# Altium PCB SNAKE_FYP.PcbDoc
Units mm, origin at the board's own origin, x right, y up, seen from the top; angles counter-clockwise.
Board outline 60 x 40 mm, 4 copper layers (Top Layer, GND02, PWR03, Bottom Layer), stack 0.603 mm thick; 81 components, 72 nets, 324 pads, 109 vias.
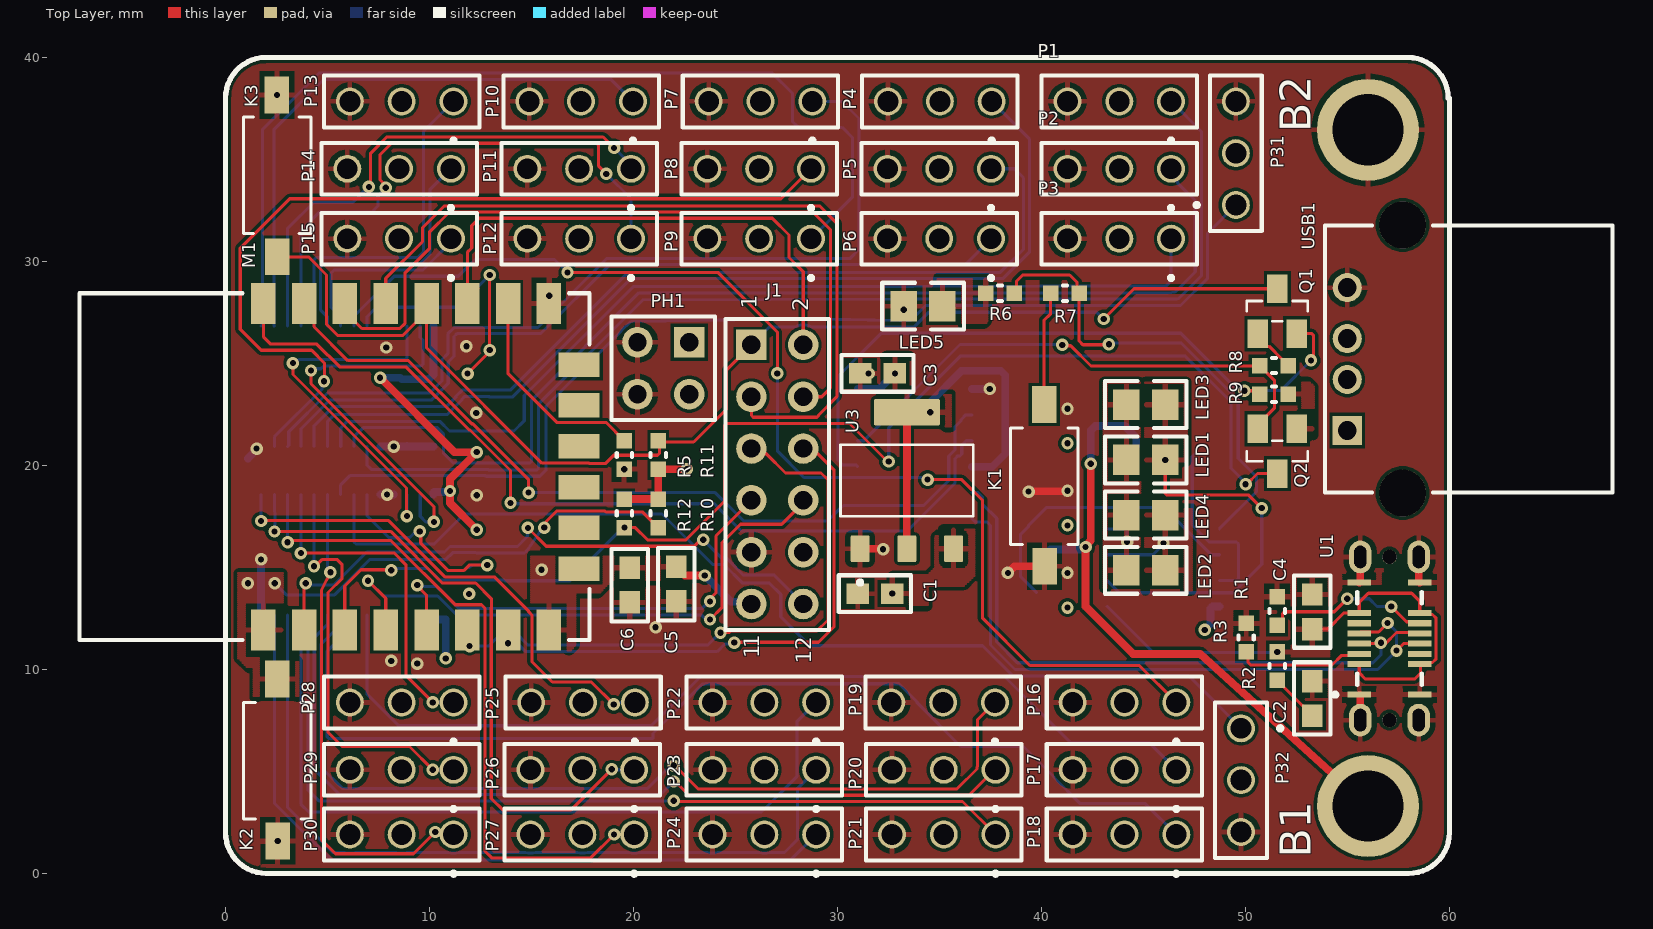
[diagram p0: Top Layer view]
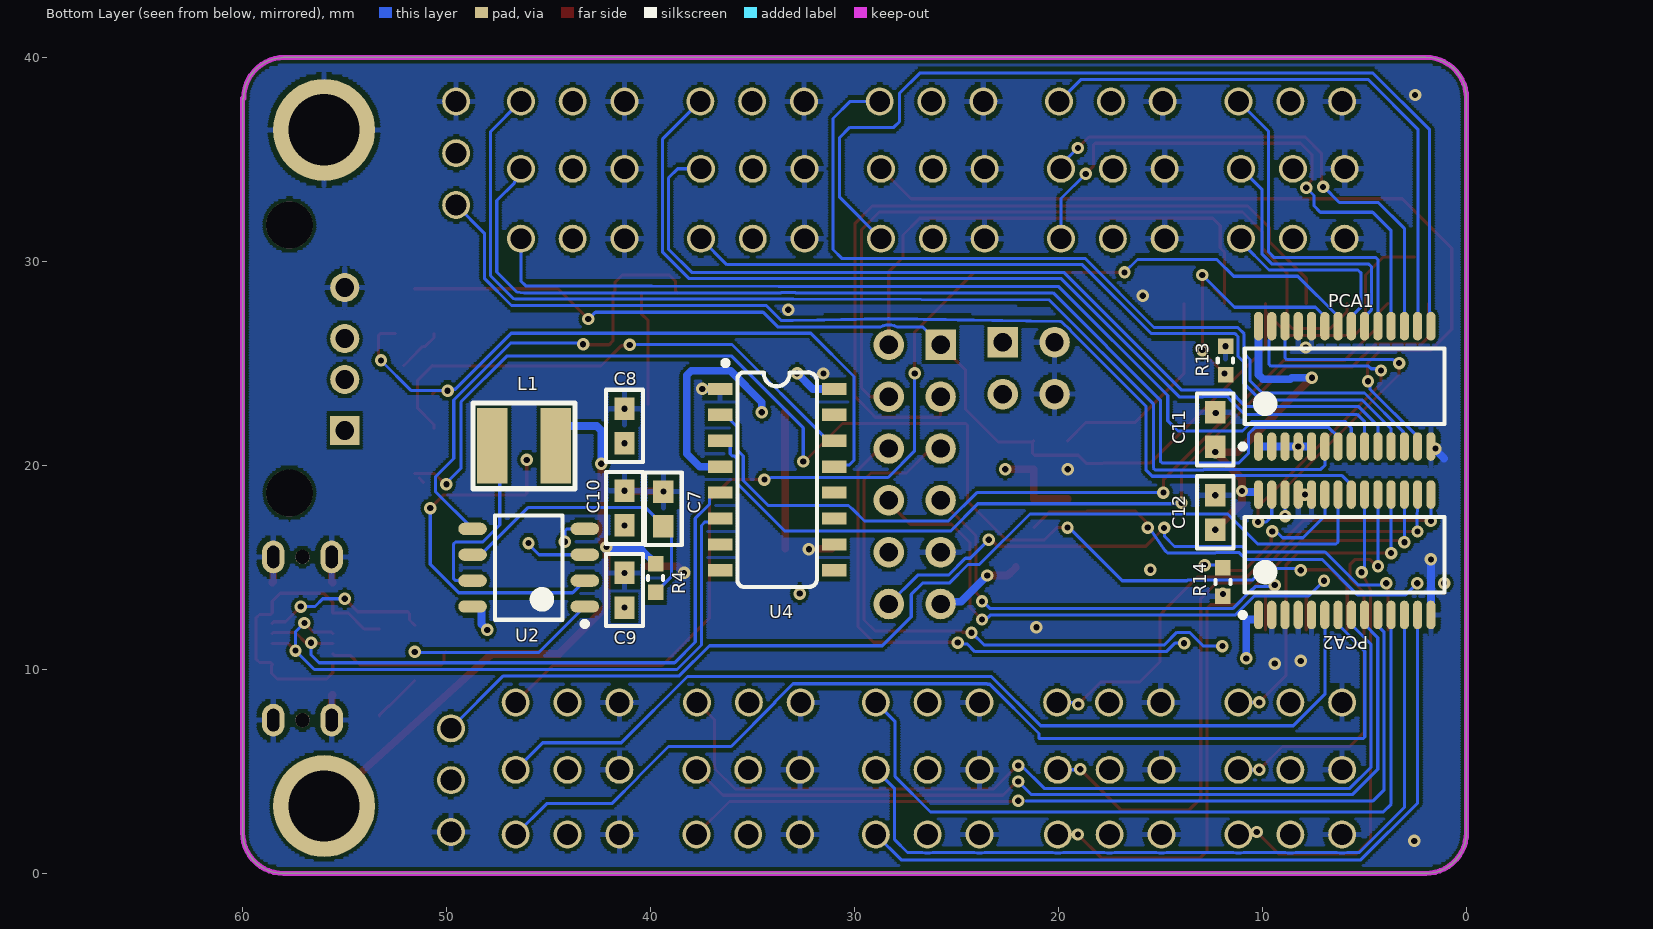
[diagram p1: Bottom Layer view, seen from below]
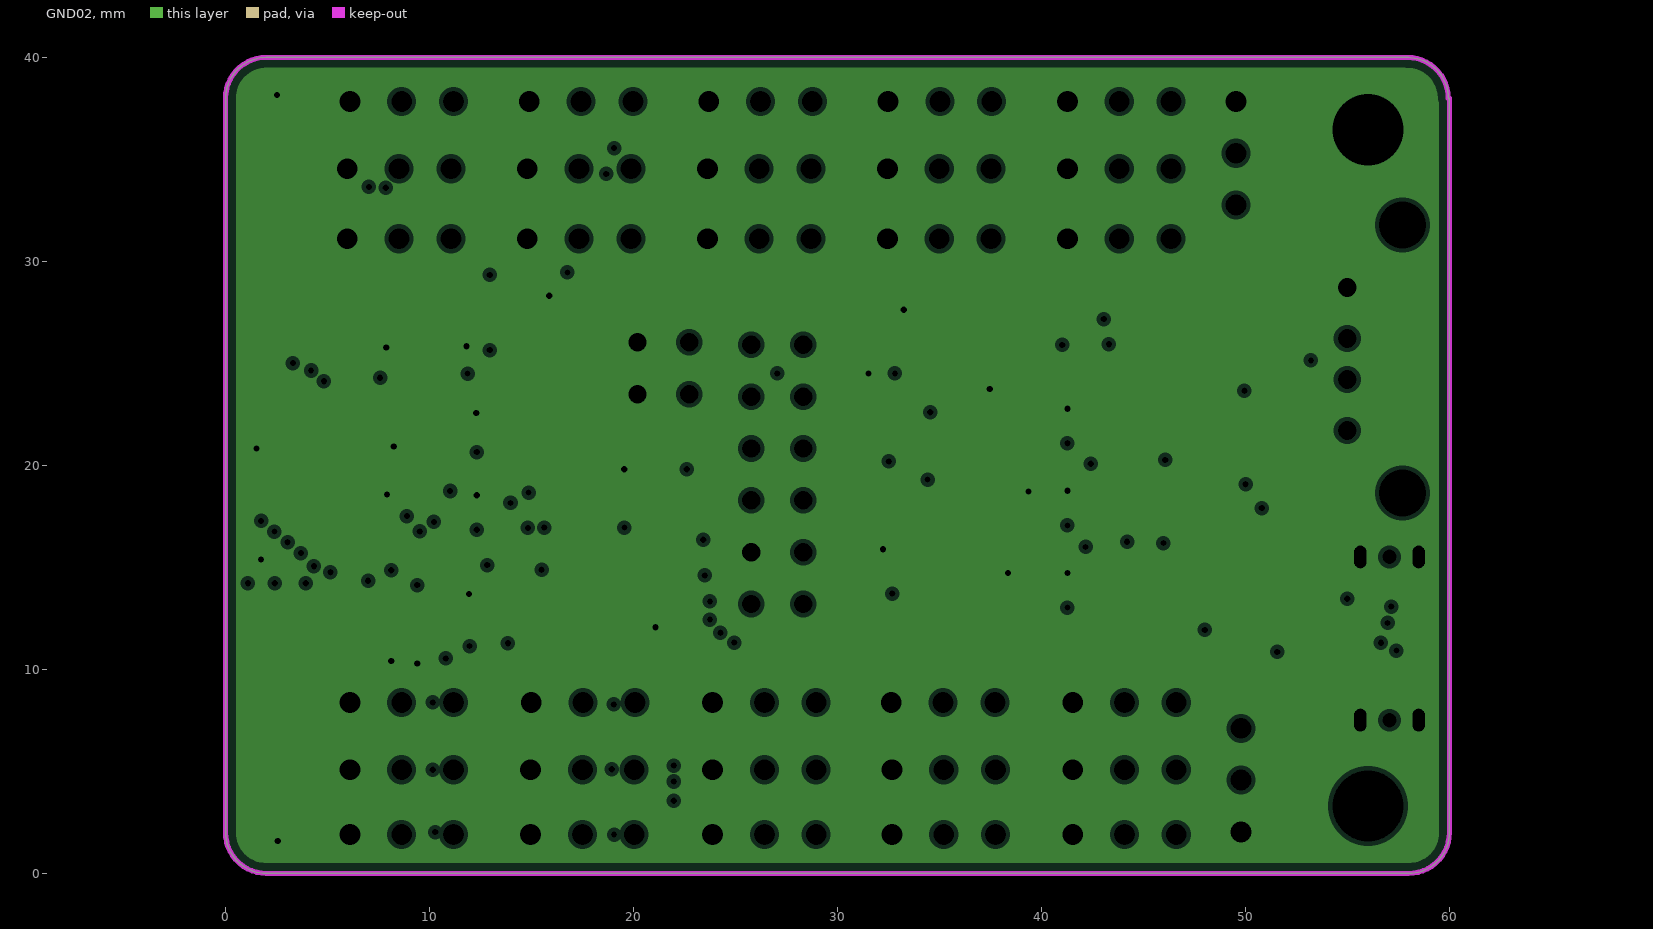
[diagram p2: GND02, clearances drawn from the general rule]
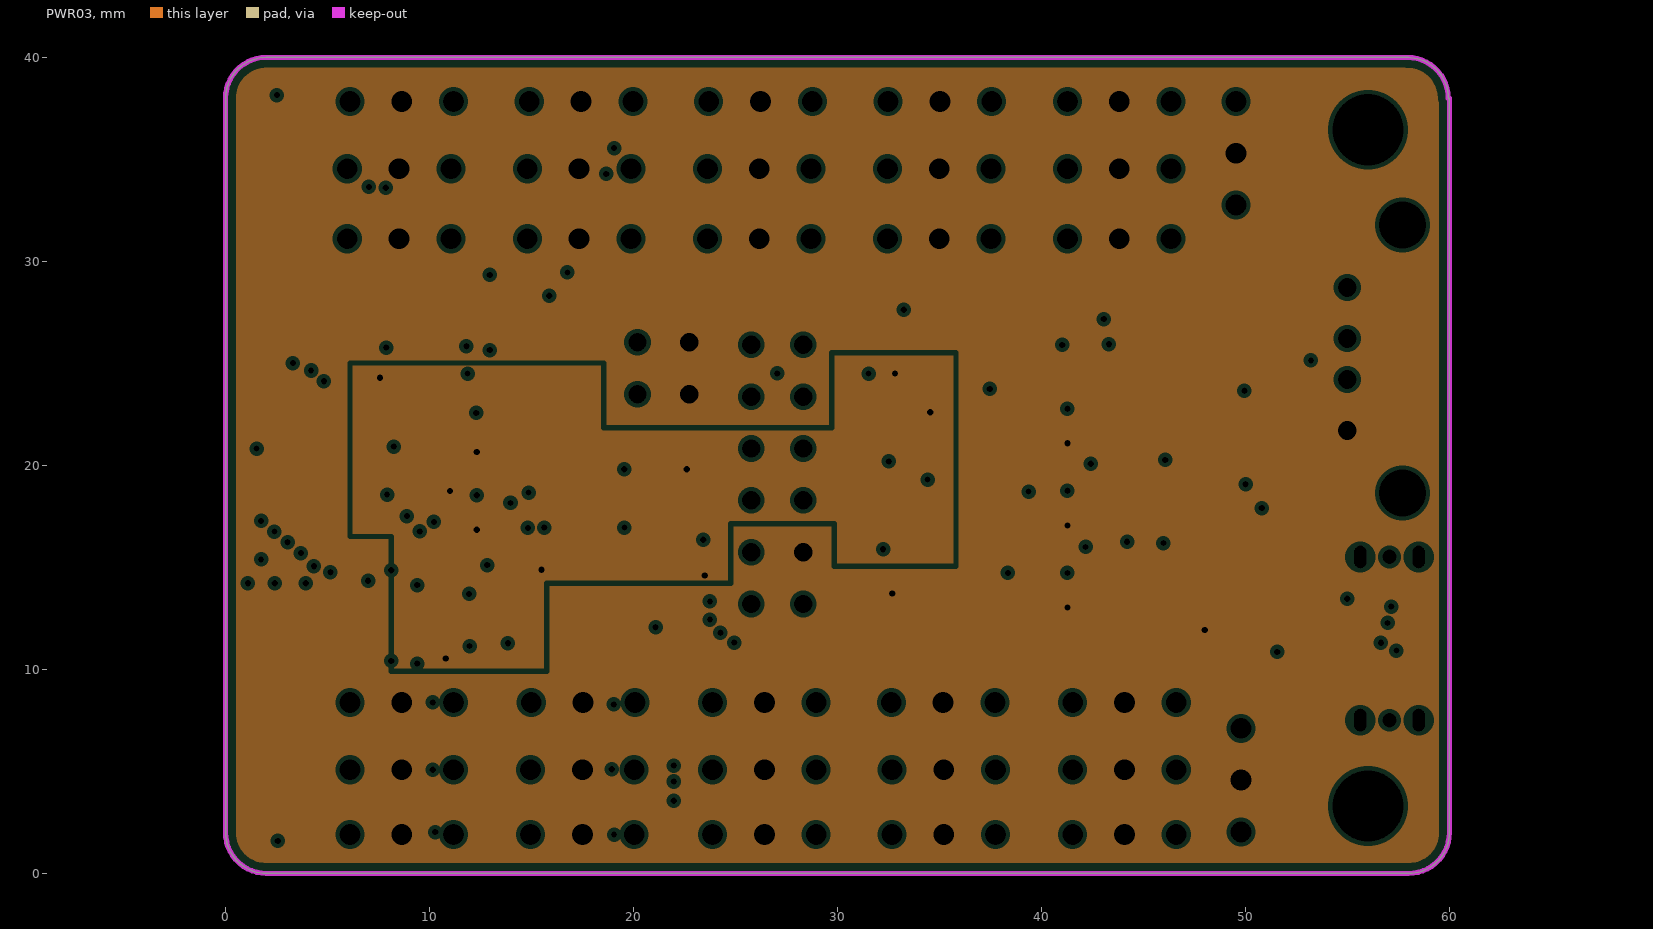
[diagram p3: PWR03, clearances drawn from the general rule]
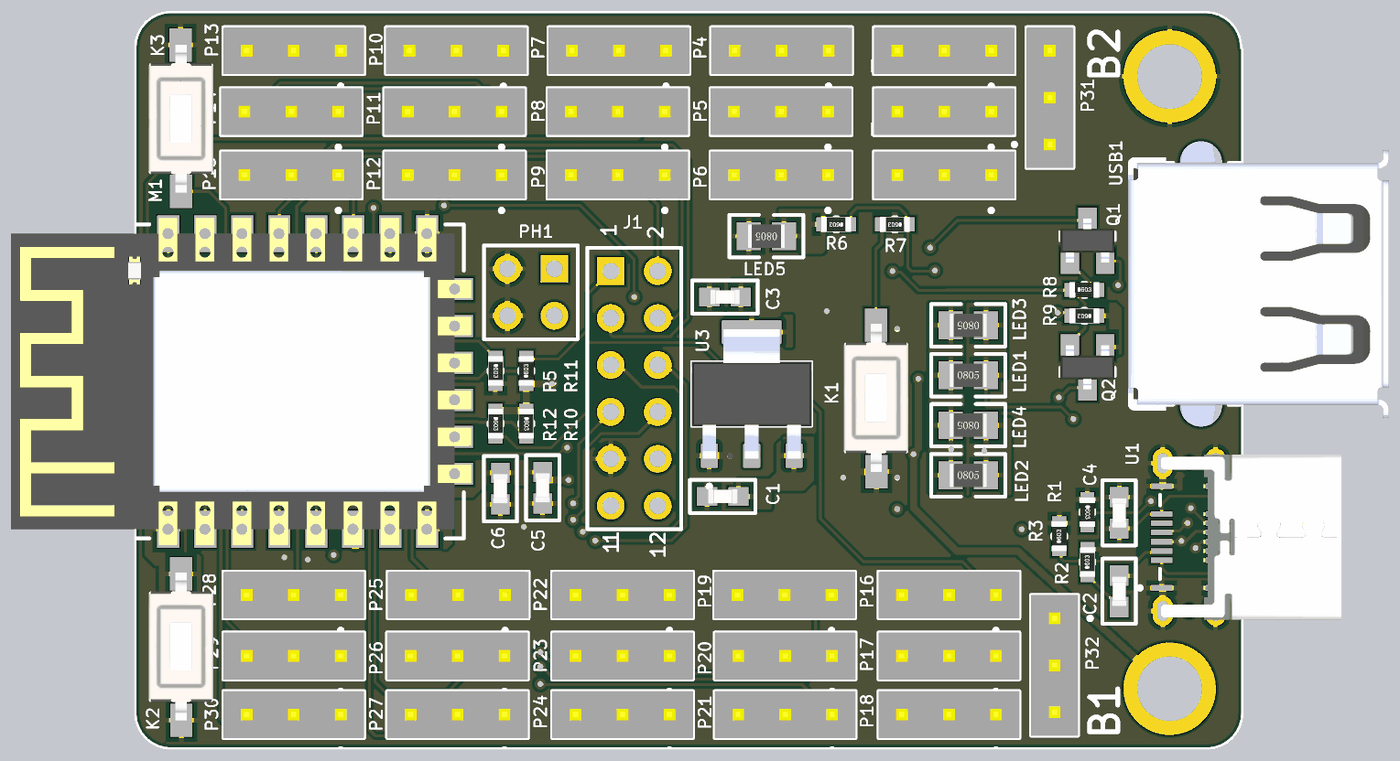
[diagram p4: 3D render of the assembled board from above, using the file's embedded part models]
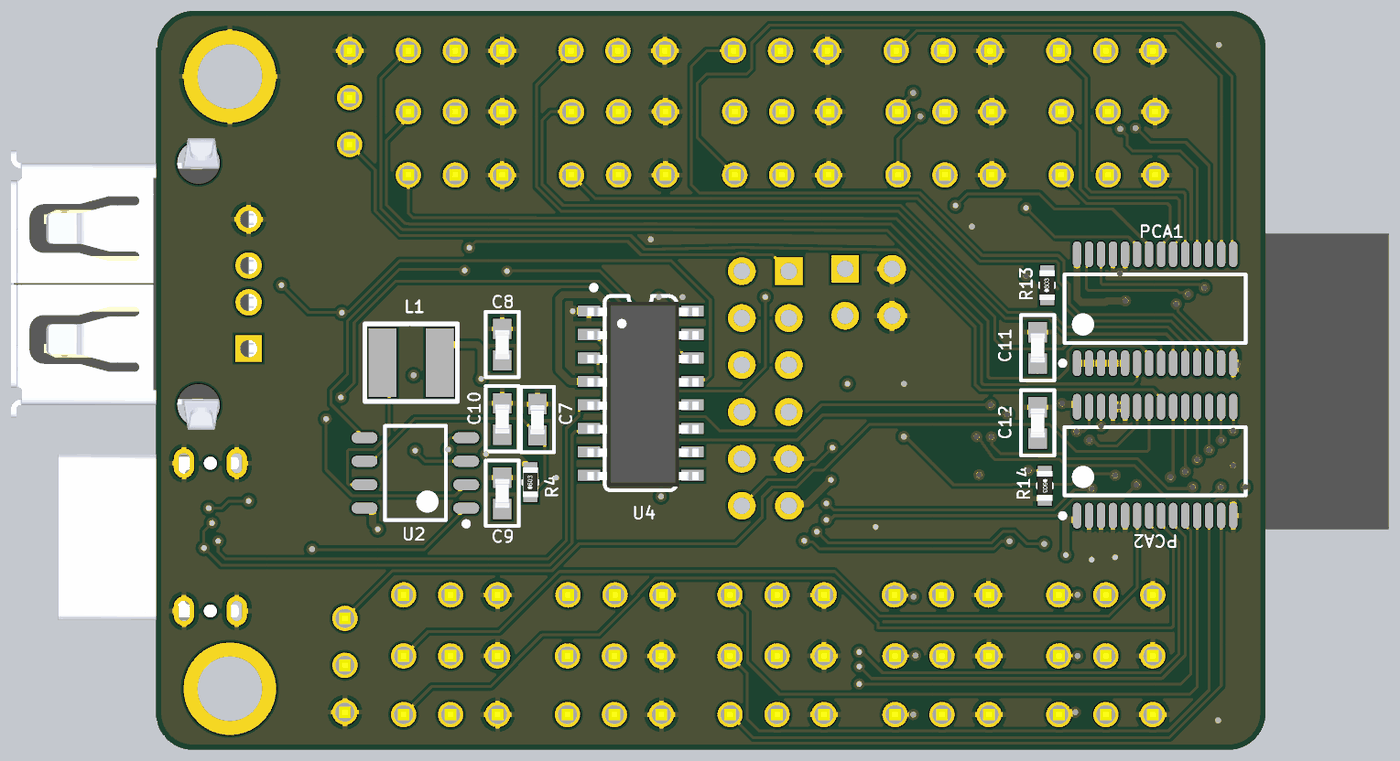
[diagram p5: 3D render of the assembled board from below, using the file's embedded part models]

## Layer stack, top to bottom
Top Solder: solder mask 0.0102, Solder Resist, Dk 3.5
Top Layer: signal copper 0.0356
Dielectric 2: prepreg 0.0711, PP-006, Dk 4.1
GND02: plane copper 0.035, net GND
Dielectric 1: dielectric 0.32, FR-4, Dk 4.8
PWR03: plane copper 0.035, net +5V
Dielectric 3: prepreg 0.0711, PP-006, Dk 4.1
Bottom Layer: signal copper 0.0356
Bottom Solder: solder mask 0.0102, Solder Resist, Dk 3.5

## Board outline
2,0 cw(c2,2) 0,2 0,38.005 cw(c2,38.005) 2,40.005 58,40.005 57.944,40 cw(c57.944,38) 59.944,38 60,38 60,2 cw(c58,2) 58,0

## Design rules (kind name [scope] priority, off if disabled: settings)
Clearance [All] p1: gap=0.152 ignorepadtopadclearanceinfootprint=FALSE
PlaneClearance [All] p1: clearance=0.203
PlaneConnect [All] p1: planeconnectstyle=Relief reliefexpansion=0.508 reliefentries=4 reliefconductorwidth=0.254 reliefairgap=0.254
PolygonConnect [All] p1: thpad.connectstyle=Relief thpad.reliefconductorwidth=0.254 thpad.reliefentries=4 thpad.polygonreliefangle="90 Angle" thpad.airgapwidth=0.254 smdpad.connectstyle=Relief smdpad.reliefconductorwidth=0.254 smdpad.reliefentries=4 smdpad.polygonreliefangle="90 Angle" smdpad.airgapwidth=0.254 via.connectstyle=Direct via.reliefconductorwidth=0.254 via.reliefentries=4 via.polygonreliefangle="90 Angle" via.airgapwidth=0.254
RoutingVias [All] p1: holewidth=0.305 width=0.559 viastyle="Through Hole" minholewidth=0.305 minwidth=0.559 maxholewidth=0.305 maxwidth=0.559
SilkToSilkClearance [All] p1: silktosilkclearance=0.051
SilkToSolderMaskClearance [IsPad] p1: minsilkscreentomaskgap=0.051 clearancetoexposedcopper=TRUE
SolderMaskExpansion [All] p1: expansion=0.064 istentingtop=FALSE
Width PWR [InNetClass('PWR')] p1: maxlimit=0.762 minlimit=0.381 preferedwidth=0.381
Width [InNetClass('All Nets')] p2: maxlimit=0.152 minlimit=0.152 preferedwidth=0.152
26 further rules are at their usual default settings.

## Classes and differential pairs
net class PWR: 3V3 +5V BAT GND

## Components (designator, comment, footprint, x,y, rotation, side; value= is the part's Value field where it differs from the comment)
B1 "VBATHeader" 18650VBAT 56.007,3.302 r0 top
B2 "VGNDHeadeR" 18650GND 56.007,36.449 r0 top
C1 "10uF" CAP-0603 30.975,13.721 r180 top
C2 "10uF" CAP-0603 53.283,9.438 r90 top
C3 "10uF" CAP-0603 31.102,24.516 r180 top
C4 "10uF" CAP-0603 53.283,13.684 r90 top
C5 "10uF" CAP-0603 22.093,13.322 r270 top
C6 "100nF" CAP-0603 19.807,13.273 r270 top
C7 "22uF" CAP-0603 39.365,18.731 r90 bottom
C8 "22uF" CAP-0603 41.27,22.795 r90 bottom
C9 "22uF" CAP-0603 41.27,14.745 r90 bottom
C10 "22uF" CAP-0603 41.27,18.77 r90 bottom
C11 "10uF" CAP-0603 12.314,22.619 r90 bottom
C12 "10uF" CAP-0603 12.314,18.555 r90 bottom
J1 "CON12" HDR2X6 25.781,25.908 r270 top locked
K1 "KEY" "TSW SMD-3*6*2.5(BUTTON)" 40.132,19.05 r90 top
K2 "RST" "TSW SMD-3*6*2.5(BUTTON)" 2.54,5.588 r90 top
K3 "BOOT" "TSW SMD-3*6*2.5(BUTTON)" 2.54,34.163 r270 top
L1 "1uH" CDRH3D16_4.2*1.8 46.202,20.955 r270 bottom
LED1 "LED" LED-0805 44.26,20.264 r0 top
LED2 "LED" LED-0805 44.26,14.851 r0 top
LED3 "LED" LED-0805 45.974,22.987 r180 top
LED4 "LED" LED-0805 45.974,17.574 r180 top
LED5 "LED" LED-0805 35.052,27.813 r180 top
M1 "ESP12-F" ESP-12F 5.334,19.939 r90 top locked
P1 "SERVO" SERVOHEADER 46.355,37.846 r90 top
P2 "SERVO" SERVOHEADER 46.355,34.544 r90 top
P3 "SERVO" SERVOHEADER 46.355,31.115 r90 top
P4 "SERVO" SERVOHEADER 37.56,37.846 r90 top
P5 "SERVO" SERVOHEADER 37.529,34.544 r90 top
P6 "SERVO" SERVOHEADER 37.529,31.115 r90 top
P7 "SERVO" SERVOHEADER 28.765,37.846 r90 top
P8 "SERVO" SERVOHEADER 28.702,34.544 r90 top
P9 "SERVO" SERVOHEADER 28.702,31.115 r90 top
P10 "SERVO" SERVOHEADER 19.971,37.846 r90 top
P11 "SERVO" SERVOHEADER 19.875,34.544 r90 top
P12 "SERVO" SERVOHEADER 19.875,31.115 r90 top
P13 "SERVO" SERVOHEADER 11.176,37.846 r90 top
P14 "SERVO" SERVOHEADER 11.049,34.544 r90 top
P15 "SERVO" SERVOHEADER 11.049,31.115 r90 top
P16 "SERVO" SERVOHEADER 46.609,8.382 r90 top
P17 "SERVO" SERVOHEADER 46.609,5.08 r90 top
P18 "SERVO" SERVOHEADER 46.609,1.905 r90 top
P19 "SERVO" SERVOHEADER 37.719,8.382 r90 top
P20 "SERVO" SERVOHEADER 37.751,5.08 r90 top
P21 "SERVO" SERVOHEADER 37.751,1.905 r90 top
P22 "SERVO" SERVOHEADER 28.956,8.382 r90 top
P23 "SERVO" SERVOHEADER 28.956,5.08 r90 top
P24 "SERVO" SERVOHEADER 28.956,1.905 r90 top
P25 "SERVO" SERVOHEADER 20.066,8.382 r90 top
P26 "SERVO" SERVOHEADER 20.034,5.08 r90 top
P27 "SERVO" SERVOHEADER 20.034,1.905 r90 top
P28 "SERVO" SERVOHEADER 11.176,8.382 r90 top
P29 "SERVO" SERVOHEADER 11.176,5.08 r90 top
P30 "SERVO" SERVOHEADER 11.176,1.905 r90 top
P31 "SERVO" SERVOHEADER 49.53,32.766 r0 top
P32 "SERVO" SERVOHEADER 49.784,7.112 r180 top
PCA1 "PCA9685PW" PCA9685TSOP28 5.969,23.876 r90 bottom locked
PCA2 "PCA9685PW" PCA9685TSOP28 5.969,15.621 r90 bottom locked
PH1 "Header2" HDR2X2 22.733,26.035 r180 top
Q1 "SS8050" SOT-23_BEC(SS8050) 51.562,27.559 r0 top
Q2 "SS8050" SOT-23_BEC(SS8050) 51.562,20.701 r180 top
R1 "5.1k" 0603_RES 51.552,12.862 r270 top
R2 "2R" 0603_RES 51.562,10.16 r90 top
R3 "5.1k" 0603_RES 50.038,11.557 r90 top
R4 "0.5" 0603_RES 39.751,14.478 r90 bottom
R5 "10k" 0603_RES 19.548,20.511 r270 top
R6 "20R" 0603_RES 37.973,28.448 r180 top
R7 "10k" 0603_RES 41.148,28.448 r180 top
R8 "10k" 0603_RES 51.397,24.892 r0 top
R9 "10k" 0603_RES 51.397,23.495 r180 top
R10 "10k" 0603_RES 21.209,17.653 r270 top
R11 "10k" 0603_RES 21.219,20.511 r90 top
R12 "10k" 0603_RES 19.548,17.653 r270 top
R13 "10k" 0603_RES 11.811,25.146 r90 bottom
R14 "10k" 0603_RES 11.938,14.289 r270 bottom
U1 "USBC" TYPEC 57.062,11.513 r90 top
U2 "IP5306" ESOP_IP5306 45.974,14.986 r0 bottom
U3 "AMS1117-3.3" SOT229P700X180-4N(AMS1117-3.3) 33.401,19.261 r90 top
U4 "CH340C" SO016_CH340 33.788,19.304 r270 bottom locked
USB1 "USB" TYPEA 61.501,25.217 r90 top

## Footprints (in the part's own frame and the unit in brackets; to place one, negate y for a bottom-side part, rotate by r counter-clockwise, add the part's x,y. Pads: shape width x height; smd on the part's side, far side on the other; paste and mask are expansions set on the pad)
0603_RES [mil]
  rect 30x30 smd: 1(-27.56,0) 2(27.56,0)
  silkscreen extent -4,-15 4,15, body extent -31,-16 32,16, height 18
18650GND [mm]
  round 5 hole 3.5: 1(0,0)
18650VBAT [mm]
  round 5 hole 3.5: 1(0,0)
CAP-0603 [mm]
  rect 1.1x1 smd: 1(-1.713,0.005) 2(-0.013,0.005)
  silkscreen extent -2.62,-0.9 0.91,0.9, body extent -1.66,-0.4 -0.06,0.4, height 0.3
CDRH3D16_4.2*1.8 [mm]
  rect 3.7x1.5 smd: 1(0,-1.55) 2(0,1.55)
  silkscreen extent -2.1,-2.5 2.1,2.5
ESOP_IP5306 [mm] "SOP, 8-Leads, Body 4.90x3.90mm, Pitch 1.27mm, IPC Medium Density"
  oval 1.4x0.6 smd: 1(-2.75,1.905) 2(-2.75,0.635) 3(-2.75,-0.635) 4(-2.75,-1.905) 5(2.75,-1.905) 6(2.75,-0.635) 7(2.75,0.635) 8(2.75,1.905)
  silkscreen extent -2.87,-2.55 1.65,2.88, body extent -2.05,-2.55 2.05,2.55, height 1.65
ESP-12F [mm]
  rect 2x1.2 smd: 1(-8,3.48) 2(-8,1.48) 3(-8,-0.52) 4(-8,-2.52) 5(-8,-4.52) 6(-8,-6.52) 7(-8,-8.52) 8(-8,-10.52) 15(8,-10.52) 16(8,-8.52) 17(8,-6.52) 18(8,-4.52) 19(8,-2.52) 20(8,-0.52) 21(8,1.48) 22(8,3.48)
  rect 1.2x2 smd: 9(-5,-12) 10(-3,-12) 11(-1,-12) 12(1,-12) 13(3,-12) 14(5,-12)
  silkscreen extent -8.5,-12.5 8.5,12.5, body extent -8.85,-12.9 8.85,12, height 3.1
HDR2X2 [mm]
  rect 1.5x1.5 hole 0.9: 1(0,0)
  round 1.5 hole 0.9: 2(0,2.54) 3(2.54,0) 4(2.54,2.54)
  silkscreen extent -1.27,-1.27 3.81,3.81
HDR2X6 [mm] "Connector; Header; 6x2 Position"
  rect 1.5x1.5 hole 0.9: 1(0,0)
  round 1.5 hole 0.9: 2(0,2.54) 3(2.54,0) 4(2.54,2.54) 5(5.08,0) 6(5.08,2.54) 7(7.62,0) 8(7.62,2.54) 9(10.16,0) 10(10.16,2.54) 11(12.7,0) 12(12.7,2.54)
  silkscreen extent -1.27,-1.27 13.97,3.81
LED-0805 [mm]
  rect 1.3x1.5 smd: 1(-0.093,0.008) 2(1.807,0.008)
  silkscreen extent -1.14,-1.14 2.86,1.16, body extent -0.14,-0.62 1.86,0.64, height 0.55
PCA9685TSOP28 [mm] "TSOP, 28-Leads, Body 9.70x4.40mm, Pitch 0.65mm, IPC Medium Density"
  oval 1.4x0.45 smd: 1(-2.95,4.225) 2(-2.95,3.575) 3(-2.95,2.925) 4(-2.95,2.275) 5(-2.95,1.625) 6(-2.95,0.975) 7(-2.95,0.325) 8(-2.95,-0.325) 9(-2.95,-0.975) 10(-2.95,-1.625) 11(-2.95,-2.275) 12(-2.95,-2.925) 13(-2.95,-3.575) 14(-2.95,-4.225) 15(2.95,-4.225) 16(2.95,-3.575) 17(2.95,-2.925) 18(2.95,-2.275) 19(2.95,-1.625) 20(2.95,-0.975) 21(2.95,-0.325) 22(2.95,0.325) 23(2.95,0.975) 24(2.95,1.625) 25(2.95,2.275) 26(2.95,2.925) 27(2.95,3.575) 28(2.95,4.225)
  silkscreen extent -3.07,-4.9 1.85,5.13, body extent -2.25,-4.9 2.25,4.9, height 1.1
SERVOHEADER [mm]
  round 1.37 hole 1.02: 1(0,0) 2(0,2.54) 3(0,5.08)
  silkscreen extent -2.02,-1.27 1.27,6.35, body extent -1.27,-1.27 1.27,6.35, height 9.27
SO016_CH340 [mm]
  rect 0.6x1.2 smd: 1(-4.445,-2.8) 2(-3.175,-2.8) 3(-1.905,-2.8) 4(-0.635,-2.8) 5(0.635,-2.8) 6(1.905,-2.8) 7(3.175,-2.8) 8(4.445,-2.8) 9(4.445,2.8) 10(3.175,2.8) 11(1.905,2.8) 12(0.635,2.8) 13(-0.635,2.8) 14(-1.905,2.8) 15(-3.175,2.8) 16(-4.445,2.8)
  silkscreen extent -5.84,-2.67 5.26,1.95, body extent -4.95,-2.87 5.05,3.13, height 1.8
SOT229P700X180-4N(AMS1117-3.3) [mm]
  rrect15% 1.31x0.93 smd: 1(-3.345,2.29) 2(-3.345,0) 3(-3.345,-2.29)
  rrect15% 1.31x3.24 smd: 4(3.345,0)
  silkscreen extent -5.1,-3.25 1.75,3.25, body extent -3.5,-3.25 3.5,3.25, height 1.8
SOT-23_BEC(SS8050) [mm]
  rect 1x1.4 smd: B(-0.95,-1.1) C(0,1.1) E(0.95,-1.1)
  silkscreen extent -1.5,-0.5 1.5,0.5, body extent -1.46,-1.18 1.46,1.18, height 1.22
"TSW SMD-3*6*2.5(BUTTON)" [mm] "3*6*2.5mm"
  rect 1.8x1.2 smd: 1(-3.996,-0.02) 2(3.937,0)
  silkscreen extent -2.92,-1.65 2.79,1.65, body extent -4,-1.75 4,1.75, height 2.59
TYPEA [mm]
  rect 1.428x1.428 / inner round 1.428 / far side rect 1.428x1.428 hole 0.92: 1(-3.5,6.51)
  round 1.428 hole 0.92: 2(-1,6.51) 3(1,6.51) 4(3.5,6.51)
  round 2.3 hole 2.3 unplated: ""(-6.57,3.8) ""(6.57,3.8)
  silkscreen extent -6.55,-6.5 6.55,7.6, body extent -7.9,-6.35 7.9,7.75, height 7.56
TYPEC [mm]
  oval 1.6x1.1 hole 0.6 slot 1.1 at 0 deg: 0(-4,1.43) 1(-4,-1.43) 2(4,1.43) 3(4,-1.43)
  rect 0.3x1.15 smd: A1(-2.75,1.485) A4(-1.25,1.485) A5(-0.75,1.485) A6(-0.25,1.485) A7(0.25,1.485) A8(0.75,1.485) A9(1.25,1.485) A12(2.75,1.485) B1(2.75,-1.485) B4(1.25,-1.485) B5(0.75,-1.485) B6(0.25,-1.485) B7(-0.25,-1.485) B8(-0.75,-1.485) B9(-1.25,-1.485) B12(-2.75,-1.485)
  round 0.71 hole 0.71 unplated: ""(-4,0) ""(4,0)
  silkscreen extent -2.85,-1.58 2.28,2.76, body extent -4.48,-8.22 4.47,1.54, height 3.15

## Part data
C1 C2 C3 C4 C5 C6 C7 C8 C9 C10 C11 C12: library part CAP, "电容"
J1: "Connector"
K1 K3: library part RST, "按键"
K2: "按键"
L1: library part INDUCTOR, "电感"
R1 R2 R3 R4 R5 R6 R7 R8 R9 R10 R11 R12 R13 R14: library part RES, "电阻"
U2: "升压、降压和锂电池充电管理芯片"
U4: library part CH340

## Via types
v1: diameter 0.61, hole 0.305, Top Layer to Bottom Layer, tented both sides, 109 vias
